# Altium PCB HEXIWEAR_MainBoard_v106.PcbDoc (part 3 of 3)
Units mil, origin at the board's own origin, x right, y up, seen from the top; angles counter-clockwise.
Board outline 1731.95 x 1558.06 mil, 6 copper layers (Top Layer, Internal Plane 2, Signal Layer 1, Signal Layer 2, Internal Plane 1, Bottom Layer), stack 48.468 mil thick; 186 components, 162 nets, 776 pads, 480 vias.
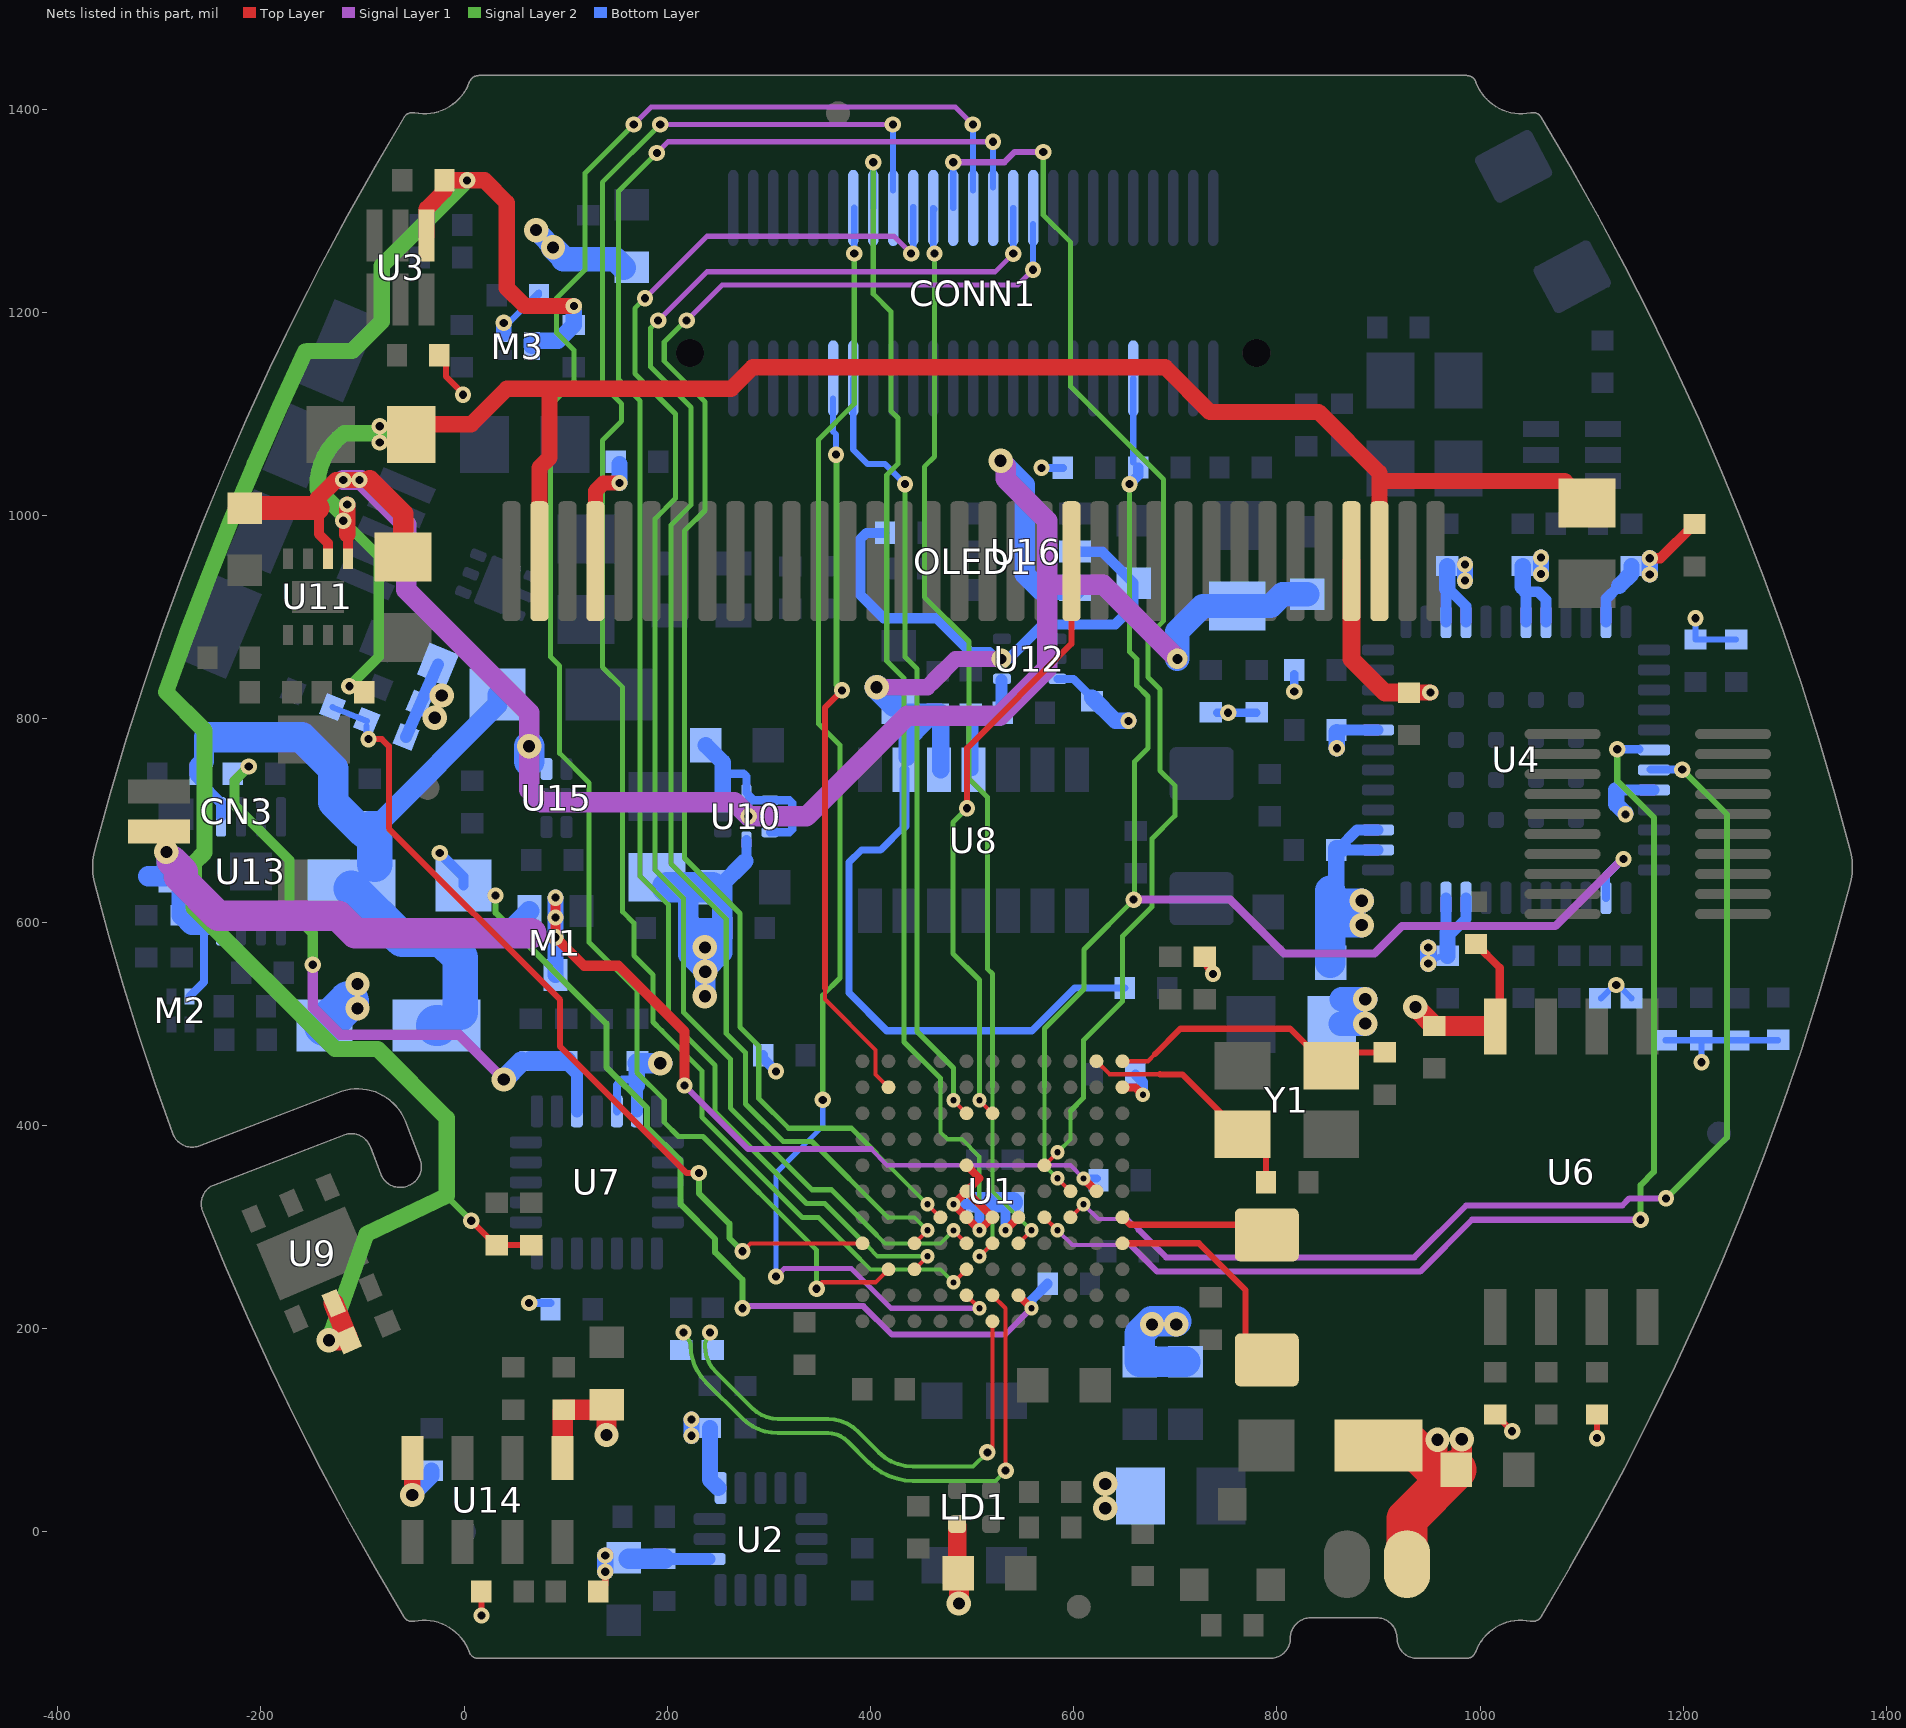
[diagram p7: the nets of this part, all layers, seen from the top]

## Via types
v1: diameter 16, hole 8, Top Layer to Bottom Layer, tented both sides, 352 vias
v2: diameter 24, hole 12, Top Layer to Bottom Layer, tented both sides, 67 vias
v3: diameter 14, hole 6, Top Layer to Bottom Layer, tented both sides, 55 vias
v4: diameter 20, hole 10, Top Layer to Bottom Layer, tented both sides, 4 vias
v5: diameter 16, hole 8, Top Layer to Bottom Layer, tented bottom, 2 vias

## Nets (pads, with @x,y where several pads share a name; then routed paths per layer and width w, separated by ;. In a path a pad name is that pad's centre, name@x,y a point inside that pad or via, vN(x,y) a via of type N, cw(c..) or ccw(c..) an arc to the next point about the centre after c; other vN are vias at no path point) (continued)
SPI2_SCK: OLED1.14 U1.F9 | length 607.8
  Top Layer w4: v3(507.18,424.55) U1.F9@519.99,411.76
  Top Layer w6: v1(495,712) 495,771 597.71,873.71 OLED1.14@597.71,955.11
  Signal Layer 2 w5: v1(495,712) 481,698 481,569 507.18,542.82 v3(507.18,424.55)
SWDCLK: CONN1.21 R8.1 U1.J6 U4.2 | length 1445.9
  Top Layer w4: v3@583.99,347.77 U1.J6@596.76,335
  Signal Layer 1 w8: v1(659,622) 754,622 807,569 896,569 923,596 1074,596 v1@1140.5,662.5
  Signal Layer 2 w4: 571.16,438 571.16,360.57 v3(583.95,347.78)
  Signal Layer 2 w5: 571.15,438 571.15,495.15 610,534 610,573 660,623 660,758.08 673,771.08 673,822 662,833 662,859 655,866 v1(655,1031)
  Bottom Layer w6: R8.1@658.57,1052.33 CONN1.21@658.57,1135
  Bottom Layer w8: U4.2@1123.92,623.71 1123.92,645.92 v1@1140,662
  Bottom Layer w10: v1(655,1031) 663.5,1039.5 R8.1@663.5,1047.4
  other v1: 1141,662
UART0_RX: CONN1.6 U1.B10 | length 714.2
  Top Layer w4: 355,535 355,524 404.86,474.14 404.86,450.13 U1.B10@417.66,437.36
  Top Layer w6: 355,535 355,811 v1(372,828)
  Signal Layer 2 w6: v1@366.5,1060 366.5,833.5 v1(372,828)
  Bottom Layer w6: CONN1.6@363,1115 363,1083 366,1080 v1(366,1060)
UART0_TX: CONN1.7 U1.E9 | length 779.3
  Top Layer w4: v3(481.59,424.55) U1.E9@494.41,411.76
  Signal Layer 2 w5: v1(434,1031) 434,861 445.8,849.2 445.8,492.2 461.45,476.55 481.59,456.41 v3(481.59,424.55)
  Bottom Layer w6: CONN1.7@382.98,1135 383,1065 397,1051 414,1051 v1(434,1031)
UART2_RX: CONN1.37 U1.C3 | length 1665.2
  Top Layer w4: U1.C3@443.24,258.2 v3(456.03,271.02)
  Signal Layer 1 w5: v1(189.67,1357) 200.65,1367.98 v1(520.54,1367.98)
  Signal Layer 2 w4: 397.5,280.5 406.98,271.02 v3(456.03,271.02)
  Signal Layer 2 w5: v1(189.67,1357) 152,1319.33 152,1134 173,1113 173,645 201,617 201,504.96 247,458.96 247,413 337,323 355,323 397.5,280.5
  Bottom Layer w6: CONN1.37@520.54,1323 v1(520.54,1367.98)
UART2_TX: CONN1.38 U1.B3 | length 1808.7
  Top Layer w4: v1(347,239) 347,240 352.43,245.43 404.9,245.43 U1.B3@417.67,258.2
  Signal Layer 1 w5: v1(167,1385) 184,1402 483.74,1402 v1(500.74,1385)
  Signal Layer 2 w5: v1(167,1385) 119,1337 119,1242 91,1214 91,1180 108,1163 108,1132 85,1109 85,861 94,852 94,766 123,737 123,580 170,533 170,452 197,425 197,403 211,389 235,389 347,277 v1(347,239)
  Bottom Layer w6: CONN1.38@500.74,1320 v1(500.74,1385)
UART3_RX: CONN1.35 U1.D5 | length 1464
  Top Layer w4: v3(455.98,322.18) U1.D5@468.8,309.39
  Signal Layer 1 w5: v1(219,1192) 254,1227 544.98,1227 v1(560,1242.02)
  Signal Layer 2 w4: 406.08,372.08 v3(455.98,322.18)
  Signal Layer 2 w5: v1@218.5,1192.5 197,1171 197,1152.01 237,1112.01 237,1004.99 217,984.99 217,663 271.5,608.5 271.5,496.5 290,478 290,426.38 319.38,397 381.16,397 406.08,372.08
  Bottom Layer w6: v1(560,1242.02) CONN1.35@560,1287
UART3_TX: CONN1.36 U1.C4 | length 1499.7
  Top Layer w4: U1.C4@443.23,283.79 v3(456.01,296.6)
  Signal Layer 1 w5: v1(191,1192) 239,1240 522.64,1240 v1(540.46,1257.82)
  Signal Layer 2 w4: 417.01,309.39 443.22,309.39 v3(456.01,296.6)
  Signal Layer 2 w5: v1(191,1192) 183.5,1184.5 183.5,1146.42 223.5,1106.42 223.5,1010.58 203.5,990.58 203.5,657.41 258,602.91 258,490.38 277,471.38 277,421 314,384 342.4,384 417.01,309.39
  Bottom Layer w6: v1(540.46,1257.82) CONN1.36@540.46,1302.8
UART4_RX: U1.J5 U4.43 | length 1133.3
  Top Layer w4: U1.J5@596.75,309.39 v3(609.53,322.21)
  Signal Layer 1 w4: v3(609.53,322.21) 624.14,307.6 653.4,307.6 664,297
  Signal Layer 1 w6: 664,297 691,270 935.2,270 986.2,321 1140,321 1147,328 v1(1183,328)
  Signal Layer 2 w6: v1(1183,328) 1243,388 1243,706 v1(1199,750)
  Bottom Layer w8: U4.43@1168,750 v1(1199,750)
UART4_TX: U1.H5 U4.42 | length 1134.3
  Top Layer w4: U1.H5@571.14,309.39 v3@583.91,296.62
  Signal Layer 1 w4: v3(583.96,296.61) 598.57,282 656,282
  Signal Layer 1 w6: 656,282 682,256 941,256 992,307 v1(1158,307)
  Signal Layer 2 w6: v1(1135,770) 1135,739 1171,703 1171,354 1158,341 v1(1158,307)
  Bottom Layer w8: v1@1136,770 U4.42@1157,770
USB-D_N: R24.2 U1.F2 | length 558.8
  Top Layer w4: U1.F2@519.98,232.63 532.75,219.86 v1@532.75,60
  Signal Layer 2 w4: v1@220.17,189.83 cw(c213.34,183) 223,183 ccw(c273.21,183) 237.71,147.49 273.49,111.71 ccw(c309,147.21) 309,97 358.03,97 cw(c358.03,70.03) 377.1,89.1 397.96,68.24 ccw(c442,112.28) 442,50 523,50 v1(533,60)
  other v1: 216,196
USB-D_P: R25.2 U1.F1 | length 475.5
  Top Layer w4: v1(515,78) 519.97,82.97 U1.F1@519.97,207.03
  Signal Layer 2 w4: v1@240.54,191.54 ccw(c249.07,183) 237,183 ccw(c273.21,183) 247.61,157.39 283.39,121.61 ccw(c309,147.21) 309,111 358.03,111 cw(c358.03,70.03) 387,99 407.86,78.14 ccw(c442,112.28) 442,64 501,64 v1(515,78)
  other v1: 242,196
USB_VBUS: R23.1 R26.1 U1.A4 | length 848.9
  Top Layer w4: v1(274,276) 281.79,283.79 U1.A4@392.07,283.79
  Top Layer w6: v1@-96,780 -81,780 -74,773 -74,691.86 94.48,523.38 94.48,477.32 218.8,353 v1@233,353
  Signal Layer 2 w6: v1(231,353) 231,333 261,303 261,289 v1(274,276)
  Bottom Layer w6: R26.1@-129.6,811.51 R23.1@-95.81,797.85 ; v1@-96,777 R23.1@-96,793
  other v1: -94,780
USER_SD_CLK: CONN1.44 U1.E2 | length 1339.1
  Top Layer w4: U1.E2@494.4,232.63 v3@507.17,219.86
  Signal Layer 1 w5: v1(307,251) 315,259 381,259 420.15,219.85 v3(507.22,219.85)
  Signal Layer 2 w5: v1(353,425) 353,527.96 370,544.96 370,773.98 349,794.98 349,1075 384,1110 v1(384,1258.02)
  Bottom Layer w5: v1(307,251) 307,353 353,399 v1(353,425)
  Bottom Layer w6: v1(384,1258.02) CONN1.44@384,1303
USER_SD_CMD: CONN1.43 U1.F4 | length 1211.3
  Top Layer w4: v3(507.19,270.97) U1.F4@519.98,283.79
  Signal Layer 2 w4: 468.8,438 468.8,393 475.59,386.21 489.9,386.21 507,369.1 507,322 520.03,309.02 520.03,283.76 v3(507.19,270.97)
  Signal Layer 2 w5: v1(402.67,1347.78) 402.67,1218.33 420,1201 420,1103 427,1096 427,1051 416,1040 416,857 433,840 433,482 468.8,446.2 468.8,438
  Bottom Layer w6: CONN1.43@402.67,1302.8 v1(402.67,1347.78)
USER_SD_D0: CONN1.42 U1.E3 | length 1684
  Top Layer w4: v3(481.63,245.39) U1.E3@494.41,258.2
  Signal Layer 1 w5: v1(193,1385) v1(422,1385)
  Signal Layer 2 w4: 389,269 399.82,258.18 468.84,258.18 v3(481.63,245.39)
  Signal Layer 2 w5: v1(193,1385) 136,1328 136,1129 155,1110 155,1093 136,1074 136,851 156,831 156,610 167,599 167,582.5 167,567 186,548 186,501.57 194.57,493 234,453.57 234,408 333,309 349,309 389,269
  Bottom Layer w6: CONN1.42@422,1320 v1(422,1385)
USER_SD_D1: CONN1.41 U1.E4 | length 1492.6
  Top Layer w4: v3(481.58,296.57) U1.E4@494.39,283.79
  Signal Layer 1 w5: v1(178,1214) 239,1275 423,1275 v1(440,1258)
  Signal Layer 2 w4: 406,292 414.22,283.78 468.79,283.78 v3(481.58,296.57)
  Signal Layer 2 w5: v1(178,1214) 168,1204 168,1140 208,1100 208,1017 188,997 188,651.21 216,623.21 216,511.17 262,465.17 262,417 342.5,336.5 361.5,336.5 406,292
  Bottom Layer w6: v1@442.04,1260.08 CONN1.41@442.04,1303.6
USER_SD_D2: CONN1.40 U1.G4 | length 1075.3
  Top Layer w4: U1.G4@545.55,283.79 v3(558.33,296.6)
  Signal Layer 1 w5: v1(463,1258) 463,1259.1 v1@464.2,1260.3
  Signal Layer 2 w4: 519.96,334.94 519.96,437.97 ; 520,334.94 v3(558.33,296.6)
  Signal Layer 2 w5: v1(463,1258) 463,1058 453,1048 453,920 497,876 497,741 515,723 515,554 519.96,549.04 519.96,437.97
  Bottom Layer w6: v1@461.72,1259.28 CONN1.40@461.72,1302.8 CONN1.40@463,1301.52
USER_SD_D3: CONN1.39 U1.H7 | length 1254.8
  Top Layer w4: U1.H7@571.14,360.58 v3(583.93,373.4)
  Signal Layer 1 w6: v1(481.41,1347.78) 531.78,1347.78 542,1358 v1(570,1358)
  Signal Layer 2 w4: v3(583.93,373.4) 596.71,386.19 596.71,414
  Signal Layer 2 w5: v1(570,1358) 570,1296 597,1269 597,1127 688.5,1035.5 688.5,896.5 673,881 673,841 685,829 685,749 699.5,734.5 699.5,704.5 677,682 677,615 648,586 648,522 609.71,483.71 609.71,427 596.71,414
  Bottom Layer w6: CONN1.39@481.41,1302.8 v1(481.41,1347.78)
VCC: C49.1 C50.1 C71.1 L2.1 L4.2 U10.1 U10.2 U10.3 U10.7 U10.8 U11.2 U15.1 U16.6 | length 2218.6
  Top Layer w9.84: -143,999 -143,982 -134.19,973.19 U11.2@-134.19,957.56
  Top Layer w16: -144,1017 -126,1035 v1(-119,1035) -93,1035
  Top Layer w20: -93,1035 -60,1002 L2.1@-60,959.37
  Top Layer w24: C49.1@-216,1007.5 -144.5,1007.5
  Signal Layer 1 w20: v1(-119,1035) -101,1035 -57,991 -57,927 64,806 v2(64,773) 64,730 76,718 266.13,718 v1(280.06,704.06) 337.06,704.06 436,803 527.19,803 574,849.81 574,995 533,1036 533,1049 v2(528,1054) ; 574,932 629,932 v4(702,859)
  Bottom Layer w8: 255,746 275,746 277.8,743.2 U10.8@277.8,727.29 U10.8@280.06,725.03 ; U10.3@301.03,688.32 320.32,688.32 323,691 323,717 320.19,719.81 U10.1@301.03,719.81 285.28,719.81 U10.8@280.06,725.03 ; U10.2@301.03,704.06 v1(280.06,704.06) U10.8@280.06,725.03
  Bottom Layer w16: C50.1@237.78,774.07 254.57,757.27 U10.7@254.57,723.81
  Bottom Layer w20: v2(528,1054) 551.73,1030.27 551.73,942.27 567,927 U16.6@601.46,927
  Bottom Layer w24: v4(702,859) 702,886 727,911 L4.2@761,911 794,911 805.5,922.5 C71.1@830,922.5
  Bottom Layer w30: 64,758 v2(64,773)
  other v1: -103,1035
VCC-1V8: C40.1 C55.1 U8.11 U12.4 | length 110.4
  Bottom Layer w12: U8.11@500.49,749.81 C40.1@500.49,805 ; C40.1@503.8,806 C55.1@534,806 ; C55.1@529,813 U12.4@529,838
VCC-3V3: C8.2 C15.1 C16.1 C17.1 C35.1 C36.1 C37.1 C38.1 C46.1 C47.1 C51.1 C52.1 C53.1 C54.1 C60.2 C61.2 C63.1 C64.1 D5.2 L3.2 LD1.1 M3.2 M4.1 OLED1.4 OLED1.31 R2.2 R3.2 R4.1 R5.1 R6.1 R7.1 R12.1 R27.1 R28.1 R29.1 R31.1 R34.1 R35.1 R44.1 R47.1 R55.1 U2.1 U2.14 U6.8 U7.15 U7.17 U7.18 U10.4 U12.3 U14.1 U14.4 | length 2587.1
  Top Layer w6: R12.1@-18,1149 -18,1137 v1@-1,1120 ; v1(17,-82.67) R2.2@17,-59 ; R3.2@138.89,-52.11 v1(138.89,-39.49) ; R27.1@1015,115.33 v1(1031.5,98.83) ; v1(1115,92) R28.1@1115,115.33
  Top Layer w8: R7.1@731.15,557.26 v1@737,548 ; R29.1@996,578.33 1019.33,555 U6.8@1019.33,501.79
  Top Layer w15: OLED1.31@129.21,955.11 129.21,1024.21 137,1032 v1@149,1032
  Top Layer w16: v2(-51,36) U14.4@-51,70 ; C47.1@935.33,826 v1(951,826)
  Top Layer w17.72: OLED1.4@873.3,955.11 873.3,858.7 906.33,825.67 C47.1@930,825.67
  Top Layer w18: C63.1@485.27,-25 LD1.1@485.27,6
  Top Layer w20: U14.1@97.05,72.35 97.05,118.8 C60.2@98.23,119.98 C61.2@135.47,119.98 ; v2(140.16,95.16) C61.2@140.16,124.67 ; v2(487,-70.73) C63.1@487,-46 ; v2(936.25,516.42) C35.1@955,497.67 U6.8@1014.39,497.67 ; 958,61 v2(958,90.51) ; C64.1@982,61.49 v2(982,91)
  Top Layer w40: D5.2@899.92,85 932,85 956,61 ; M4.1@928.06,-32 928.06,12.56 C64.1@976.5,61
  Signal Layer 1 w10: v1(-149,558) -149,516 -122,489 -5,489 v2(39,445)
  Signal Layer 2 w10: v1(-212,753) -226,739 -226,715 -172,661 -172,612 -149,589 v1(-149,558)
  Bottom Layer w6: v1(39,1189.72) 43.72,1189.72 73.67,1219.67 R44.1@73.67,1217
  Bottom Layer w8: v1(64,225) R31.1@85,225 ; U7.17@150.31,413.7 150.31,439.53 155.78,445 164,445 170,439 ; v1(568.33,1047) R4.1@589.33,1047 ; U12.3@584,839.32 599.69,839.32 C54.1@618,821 ; R34.1@741,806 v1(752,806) R35.1@780,806
  Bottom Layer w9.84: 277.8,665 U10.4@277.8,680.83
  Bottom Layer w10: R5.1@294.33,469 294.33,465.67 v1(307,453)
  Bottom Layer w11.81: C37.1@101,460 110.94,450.05 U7.15@110.94,413.7 ; U7.18@170,413.7 170,439 ; C16.1@197.24,-27.01 U2.14@241.69,-27.01
  Bottom Layer w15: M3.2@39,1179 v1(39,1189.72)
  Bottom Layer w16: v2(-51,36) -32,55 C8.2@-32,60 ; v1(138.89,-39.49) v1(138.89,-23.49) ; v1(153,1032) C46.1@153,1050.72 ; 170,439 C36.1@170,462.52 ; v1(223.89,94.34) v1(223.89,110.34) ; C15.1@241.89,102.01 241.89,51.06 U2.1@250.07,42.87 ; C53.1@252.47,635.53 276.97,660.03 ; C54.1@618,821 641,798 v1(654,798)
  Bottom Layer w20: v2(39,445) C38.1@56.33,462.33 ; C38.1@65.63,463.15 C37.1@100.63,463.15 ; C17.1@162.06,-26.65 C16.1@196.89,-26.65 ; C36.1@170.63,461.15 v2@195.14,461.15 ; 220.44,621 C51.1@220.44,594.06 ; v2@237.28,527.2 237.28,552.72 254.11,569.55 C52.1@254.11,594.06 ; v2(237.28,551) 220.44,567.83 C51.1@220.44,594.06 ; C53.1@254.11,635.53 C52.1@254.11,594.06 ; C51.1@220.44,594.06 C52.1@254.11,594.06
  Bottom Layer w24: R6.1@863,500 v2@886.5,500 ; R6.1@863.5,524 v2(887,524)
  Bottom Layer w30: L3.2@199.78,634.06 C53.1@244.28,634.06
  other v1: 737,549 -1,1119
  other v2: 631,23 631,47 193,461 887,500 237,527 237,575
VCC-3V3B: C20.1 C30.2 C57.1 M3.3 R9.2 R10.2 U3.1 U9.5 | length 1986.3
  Top Layer w6: v1(7,306) 31,282 R10.2@32,282 R9.2@66,282
  Top Layer w15.75: -37.01,1301.99 -19.33,1319.67 C20.1@-19.33,1330
  Top Layer w16: U3.1@-37.01,1275.75 -37.01,1301.99 ; C20.1@-19.33,1330 v1(3,1330) 20,1330 42,1308 42,1224 59.61,1206.39 v1(108,1206.39)
  Top Layer w20: v2@-133.6,188.42 C30.2@-113.72,188.42 U9.5@-128.45,224.86
  Signal Layer 2 w6: -17,330 v1(7,306)
  Signal Layer 2 w16: -156.51,1161.18 ccw(c3052.77,-347.74) -293.51,826.48 -255.58,788.55 -255.58,668.42 -266,658 -266,614 -127,475 -85,475 -17,407 -17,330.59 -17.23,330.48 -96.07,292.89 v2(-133.09,188.42) ; -154.43,1162 -110,1162 -81,1191 -81,1246 v1(3,1330)
  Bottom Layer w16: M3.3@66.57,1166.89 66.57,1172 92.33,1172 C57.1@108,1187.67 v1(108,1206.39)
VCC-5VEXT: D2.1 FP2.1 R45.2 | length 130.1
  Bottom Layer w20: v2@73.82,1277.69 v2@87.87,1263.64
  Bottom Layer w24: v2@87.87,1263.64 97.51,1254 ; 97.51,1252.33 122,1252.33 148.67,1252.33 FP2.1@157,1244
  Bottom Layer w40: D2.1@-137.4,498.19 D2.1@-113.58,522.01
  other v2: -105,515 -105,539 87.51,1264 70.88,1281
VCC-15V: C44.1 C48.2 OLED1.3 OLED1.33 R37.1 U11.1 | length 1869
  Top Layer w9.84: U11.1@-114.5,957.56 -114.5,981.5
  Top Layer w16: -115,981.5 v1(-115,1011) ; C48.2@-49,1090 7,1090 42,1125 263,1125 284,1146 690,1146 734,1102 841,1102 900.86,1042.14 900.86,1034 1083.37,1034 C44.1@1105,1012.37 ; OLED1.33@74.09,955.11 74.09,1047.09 84,1057 84,1124 ; OLED1.3@900.86,955.11 900.86,1031
  Signal Layer 2 w10: v1(-119,995) -84,960 -84,861 v1(-113,832)
  Signal Layer 2 w16: v1(-119,995) -119,1001 -144,1026 -144,1036 cw(c-80.2,1029.15) -118,1081 v1@-83,1081
  other v1: -83,1072 -83,1088
VCC-BAT: C11.1 C59.1 CN3.1 M1.3 M2.2 R40.1 U1.K6 U13.8 | length 1366.3
  Top Layer w8: v3@609.57,347.71 U1.K6@622.35,335
  Top Layer w10: v1(90,624) v1(90,585) 118,557 152,557 217,492 v1(217,439)
  Signal Layer 1 w4: 400.5,376.5 416.39,360.61 596.63,360.61 v3(609.55,347.69)
  Signal Layer 1 w6: v1@218,438 279.5,376.5 400.5,376.5
  Signal Layer 1 w30: v2@-288,660.54 -276.73,649.27 ; -281,645 -242,606 -124,606 -107,589 66,589
  Bottom Layer w4: M1.3@89.84,547.82 M1.3@90,547.98
  Bottom Layer w8: M2.2@-270.14,526.78 -256,540.92 -256,591 ; v3(609.55,347.69) C11.1@622.64,347.69
  Bottom Layer w16: M1.3@90,547.98 v1(90,585) v1(90,624)
  Bottom Layer w20: -311,645 C59.1@-284.12,645 ; C59.1@-293,653.88 v2(-293,669) ; C59.1@-278,643.88 R40.1@-278,606.67 -277.67,606.67 -268,597 -245,597
  other v1: 90,604.5
VCC-CH: C58.1 D1.1 D2.2 D3.2 M1.1 R1.1 U13.1 | length 794.4
  Bottom Layer w10.24: C58.1@-260.33,746 -260.33,738.33 -239.33,717.33 U13.1@-239.33,703.5
  Bottom Layer w20: C58.1@-260.33,746 -260.33,753.67 -256,758 -256,781 ; R1.1@-93,699.33 -81.67,699.33 32.76,813.76 D1.1@32.76,824 ; -4,565 -4,577 7,588 41.44,588 M1.1@64.25,610.81
  Bottom Layer w30: -251,782 -160,782 -129,751 -129,718 -99,688
  Bottom Layer w35: D3.2@-111,633 -61,583 -22,583 -4,565 D2.2@-4,511 ; D3.2@-88,657 -88,685
  Bottom Layer w40: D2.2@-27.17,498.19 D2.2@-25.81,498.19
VCC-HRM: C41.1 C42.1 C72.1 R32.1 R71.1 U8.9 U8.10 U16.5 | length 1339.3
  Signal Layer 1 w16: v2(406,831) 456,831 462,837 462,837.28 483.72,859 v4(529,859)
  Bottom Layer w7: 433.37,694.37 410,671 391,671 379,659 379,530 416,493 559,493 601,535 R32.1@650.33,535
  Bottom Layer w10: R71.1@414.33,983 396,983 390,977 390,922 413,899 465,899 498.33,865.67 517.13,865.67 523.8,859 v4(529,859) 536,859 570,893 641,893 659,911 C72.1@659,933.5 628,964.5 U16.5@601.46,964.5 ; 433.37,694.37 U8.9@433.37,749.81
  Bottom Layer w17: U8.9@436,762 436,779 454,797 ; U8.10@468.99,749.81 C41.1@468.99,804.01
  Bottom Layer w20: C42.1@433.5,805 C41.1@468,805
  Bottom Layer w24: v2(406,831) C42.1@423.33,813.67
VCC-MCU: C10.1 C12.1 C13.1 C65.1 FP4.2 U1.E5 U1.E6 U1.E7 U1.F5 U1.G5 U1.L10 | length 421.2
  Top Layer w8: U1.E5@494.4,309.46 v3(481.58,322.22) U1.E6@494.4,335 ; U1.E7@494.39,360.58 507.16,347.81 ; U1.E5@494.39,309.39 v3(507.24,296.61) U1.F5@519.97,309.39 U1.E6@494.4,335 ; 507.17,347.77 U1.E6@494.4,335 ; v3(532.82,296.61) U1.G5@545.54,309.39 ; U1.L10@647.92,437.04 660.96,437.04 v3(668,430)
  Bottom Layer w10: v3@481.67,322.22 C12.1@502.89,322.22 ; v3(507.24,296.61) C12.1@507.24,317.82 ; v3(532.82,296.61) C13.1@532.82,317.82 ; C10.1@660.67,450 668,442.67 v3(668,430)
  Bottom Layer w20: C12.1@505,324.33 C13.1@540,324.33
  Bottom Layer w30: v2@701,207 677,207 665,195 C65.1@665,167 FP4.2@710,167
  other v2: 677,204 701,204
VCC-USB: C14.1 C34.1 D3.1 FP3.1 R23.2 U1.G2 | length 982.6
  Top Layer w8: U1.G2@545.56,232.63 v3@558.33,219.86
  Signal Layer 1 w6: v1(274,219.85) 276.15,222 393,222 421,194 532.53,194 v3(558.37,219.85)
  Signal Layer 2 w6: v1(31,626) 31,609 140,500 140,457 180,417 180,398 213,365 213,322 247,288 247,275 274,248 v1(274,219.85)
  Bottom Layer w10: v1(-24,668) -0.76,644.76 D3.1@-0.76,636 ; v3(558.37,219.85) 558.37,228.04 C14.1@574.33,244
  Bottom Layer w12: R23.2@-57.18,782.25 -42.93,814.57 -35.85,830.64 FP3.1@-25.79,853.45
  other v2: -29,801 -22,823
VCCRF: C21.1 C22.1 C23.1 C24.1 C25.1 C26.1 C27.1 C28.1 FP1.2 R13.2 R14.2 R15.2 R16.1 R17.1 R18.2 R19.2 R22.2 R58.2 U4.9 U4.10 U4.14 U4.15 U4.20 U4.27 U4.28 U4.31 U4.32 U4.35 U4.44 | length 1118.2
  Top Layer w10: v1(1167,958) 1177.33,958 C23.1@1211,991.67
  Bottom Layer w6: v1(949,559) cw(c967.52,540.48) 967.52,566.67 C24.1@968,566.67 ; R13.2@1119,525 v1@1132,538 ; v1(1134,538) 1136,538 R58.2@1149,525 ; R19.2@1182.54,483.66 R16.1@1293.21,483.66 ; v1(1212,899) R14.2@1212,878 R15.2@1252,878 ; v1(1218,462) R18.2@1218,483.2
  Bottom Layer w8: v1(817,827) R22.2@817,844
  Bottom Layer w10.63: C25.1@858.74,789.07 U4.20@899.51,789.07 ; C22.1@860.8,672.52 878.93,690.64 U4.15@899.51,690.64 ; 870.8,670.96 U4.14@899.51,670.96 ; 966.44,595 U4.10@966.44,623.71 ; U4.27@966.44,895.37 966.44,922.82 ; 967,930 986.13,910.87 U4.28@986.13,895.37 ; 968,585 986.13,603.13 U4.9@986.13,623.71 ; 1040,928 1045.18,922.82 U4.31@1045.18,895.37 ; 1050,925 1057,925 1064.87,917.13 U4.32@1064.87,895.37 ; U4.35@1123.92,895.37 1123.92,917.92 1137,931 ; 1134,730.01 U4.44@1171.17,730.01
  Bottom Layer w16: 858.36,630.89 C22.1@858.36,670.89 ; C22.1@858.36,672.52 860.8,672.52 C22.1@865.8,672.52 ; v1(859,771) C25.1@859,787 ; v1(949,559) v1(949,575) ; 967.69,928 C26.1@967.69,950.22 ; C24.1@968,566.67 968,585 968,590 ; v1(985,936) v1(985,952) ; 1042,930 C27.1@1042,950.33 ; v1(1060,942.66) v1(1060,958.66) ; 1134,730 1134,716 v1@1142.97,707.03 ; 1137,931 1149,943 C28.1@1149,950.33 ; v1(1167,942) v1(1167,958)
  Bottom Layer w24: C21.1@852,621 v2(883.5,621) ; C21.1@852.69,597 v2@883,597
  Bottom Layer w30: FP1.2@852.69,560 852.69,630.89
  other v1: 1143,706
  other v2: 883.5,597
XL1: U1.L4 X1.1 | length 186.1
  Top Layer w6: U1.L4@647.91,283.79 723.21,283.79 769,238 X1.1@769,192
XL2: U1.L5 X1.2 | length 123.2
  Top Layer w6: U1.L5@647.91,309.39 655.3,302 X1.2@768,302
XTAL1: C5.1 U1.K11 Y1.3 | length 174.3
  Top Layer w4: U1.K11@622.34,462.96 635.11,450.19 684.96,450.19
  Top Layer w6: 684.96,450.15 685.12,450 707,450 Y1.3@748.5,408.5 ; Y1.3@764.12,391 Y1.3@766,391 ; C5.1@789.33,344 Y1.3@789.33,367.67
XTAL2: C7.1 U1.L11 Y1.1 | length 273.3
  Top Layer w4: U1.L11@647.91,462.96 672.96,462.96 680,470
  Top Layer w6: 680,470 705,495 813,495 849.5,458.5 Y1.1@853.5,458.5 ; Y1.1@866.67,471.67 C7.1@906,471.67
pads on no net: A1.2 CN3.0 CONN1.P D7.4 D7.5 FM1.0 FM2.0 FM3.0 FM4.0 FM5.0 FM6.0 OLED1.1 OLED1.16 U1.A11 U1.H4 U1.K3 U1.K4 U1.K5 U1.L7 U2.15 U4.11 U4.12 U4.18 U4.19 U4.24 U4.25 U4.36 U4.37 U4.38 U4.39 U5.6 U8.1 U8.5 U8.6 U8.7 U8.8 U8.14 U9.3 U9.4 U9.PAD U11.5 U12.5 U13.2 U13.6
copper on no net:
  other v1: 1320,561.5

## Polygon pours and split planes (outlines as drawn)
GND on Signal Layer 1 "GND_L03_P001" (solid, remove dead copper, pour order 1): -258.93,313.83 cw(c-256.13,314.95) -259.12,314.57 cw(c-238.02,323.77) -248.11,344.45 cw(c-246.79,341.74) -247.86,344.56 -117.75,394.51 -117.74,394.51 -117.75,394.51 cw(c-116.66,391.7) -117.64,394.55 cw(c-110.15,372.79) -88.4,380.33 -88.42,380.38 -88.4,380.33 -78.47,354.44 cw(c-81.28,353.36) -78.43,354.34 ccw(c-62.37,359.87) -54.79,344.67 ccw(c-62.38,359.87) -54.77,344.68 cw(c-53.42,341.98) -54.58,344.77 ccw(c-61.25,360.39) -44.26,360.39 ccw(c-61.25,360.39) -45.17,365.86 cw(c-42.31,366.83) -45.21,365.99 -59.94,404.37 -59.95,404.4 -59.94,404.37 cw(c-104.15,386.14) -59.93,404.34 -59.94,404.37 ccw(c-104.22,386.1) -122.43,430.4 ccw(c-104.19,385.96) -122.46,430.39 cw(c-123.61,433.18) -122.53,430.36 -122.52,430.37 ccw(c-123.6,433.18) -122.44,430.4 -122.53,430.36 -259.48,377.79 -259.5,377.79 -259.48,377.79 cw(c-260.58,380.6) -259.6,377.75 cw(c-267.09,399.51) -288.85,392.02 cw(c-286,393) -288.94,392.32 cw(c2297.54,1336.09) -365.3,636.19 cw(c-292.65,655.28) -365.3,674.37 cw(c-292.56,655.15) -365.29,674.39 cw(c2297.34,-26.26) -60.93,1394.68 cw(c-49.92,1388.05) -47.35,1400.65 ccw(c-38.48,1444.15) 3.22,1428.89 cw(c15.29,1424.47) 15.29,1437.33 987.43,1437.33 cw(c987.43,1424.47) 999.5,1428.89 ccw(c1041.2,1444.15) 1050.03,1400.64 ccw(c1041.22,1444.17) 1050.05,1400.64 cw(c1052.62,1388.04) 1063.63,1394.68 cw(c-1295.09,-25.54) 1367.75,674.37 cw(c1295.1,655.28) 1370.22,655.28 cw(c1295.1,655.28) 1367.74,636.17 cw(c-1294.89,1336.82) 1063.38,-84.12 cw(c1052.37,-77.49) 1049.8,-90.08 ccw(c1040.93,-133.59) 999.23,-118.33 cw(c987.16,-113.91) 987.16,-126.77 939,-126.77 cw(c939,-103.75) 915.98,-103.75 cw(c919,-103.75) 915.99,-103.73 ccw(c899,-103.75) 899,-86.76 834,-86.76 ccw(c834,-103.75) 817.01,-103.73 cw(c814,-103.75) 817.02,-103.75 cw(c794,-103.75) 794,-126.77 15.02,-126.77 cw(c15.02,-113.91) 2.95,-118.33 ccw(c-38.75,-133.59) -47.58,-90.08 cw(c-48.2,-87.12) -47.6,-90.08 cw(c-38.61,-133.66) -47.58,-90.08 -47.6,-90.08 cw(c-50.17,-77.48) -61.18,-84.12 cw(c2297.54,1336.1)
GND on Signal Layer 2 "GND_L04_P002" (solid, remove dead copper, pour order 2): -258.93,313.83 cw(c-256.13,314.95) -259.12,314.57 cw(c-238.02,323.77) -248.11,344.45 cw(c-246.79,341.74) -247.86,344.56 -117.75,394.51 -117.74,394.51 -117.75,394.51 cw(c-116.66,391.7) -117.64,394.55 cw(c-110.15,372.79) -88.4,380.33 -88.42,380.38 -88.4,380.33 -78.47,354.44 cw(c-81.28,353.36) -78.43,354.34 ccw(c-62.37,359.87) -54.79,344.67 ccw(c-62.38,359.87) -54.77,344.68 cw(c-53.42,341.98) -54.58,344.77 ccw(c-61.25,360.39) -44.26,360.39 ccw(c-61.25,360.39) -45.17,365.86 cw(c-42.31,366.83) -45.21,365.99 -59.94,404.37 -59.95,404.4 -59.94,404.37 cw(c-104.15,386.14) -59.93,404.34 -59.94,404.37 ccw(c-104.22,386.1) -122.43,430.4 ccw(c-104.19,385.96) -122.46,430.39 cw(c-123.61,433.18) -122.53,430.36 -122.52,430.37 ccw(c-123.6,433.18) -122.44,430.4 -122.53,430.36 -259.48,377.79 -259.5,377.79 -259.48,377.79 cw(c-260.58,380.6) -259.6,377.75 cw(c-267.09,399.51) -288.85,392.02 cw(c-286,393) -288.94,392.32 cw(c2297.54,1336.09) -365.3,636.19 cw(c-292.65,655.28) -365.3,674.37 cw(c-292.56,655.15) -365.29,674.39 cw(c2297.34,-26.26) -60.93,1394.68 cw(c-49.92,1388.05) -47.35,1400.65 ccw(c-38.48,1444.15) 3.22,1428.89 cw(c15.29,1424.47) 15.29,1437.33 987.43,1437.33 cw(c987.43,1424.47) 999.5,1428.89 ccw(c1041.2,1444.15) 1050.03,1400.64 ccw(c1041.22,1444.17) 1050.05,1400.64 cw(c1052.62,1388.04) 1063.63,1394.68 cw(c-1295.09,-25.54) 1367.75,674.37 cw(c1295.1,655.28) 1370.22,655.28 cw(c1295.1,655.28) 1367.74,636.17 cw(c-1294.89,1336.82) 1063.38,-84.12 cw(c1052.37,-77.49) 1049.8,-90.08 ccw(c1040.93,-133.59) 999.23,-118.33 cw(c987.16,-113.91) 987.16,-126.77 939,-126.77 cw(c939,-103.75) 915.98,-103.75 cw(c919,-103.75) 915.99,-103.73 ccw(c899,-103.75) 899,-86.76 834,-86.76 ccw(c834,-103.75) 817.01,-103.73 cw(c814,-103.75) 817.02,-103.75 cw(c794,-103.75) 794,-126.77 15.02,-126.77 cw(c15.02,-113.91) 2.95,-118.33 ccw(c-38.75,-133.59) -47.58,-90.08 cw(c-48.2,-87.12) -47.6,-90.08 cw(c-38.61,-133.66) -47.58,-90.08 -47.6,-90.08 cw(c-50.17,-77.48) -61.18,-84.12 cw(c2297.54,1336.1)
GND on Top Layer "Top Layer-GND" (solid, pour order 10): -256,315 cw(c-238.02,323.77) -246.79,341.74 -116.66,391.7 cw(c-110.15,372.79) -91.24,379.3 -81.28,353.36 ccw(c-62.37,359.87) -53.42,341.98 ccw(c-61.25,360.39) -42.31,366.83 -42.3,366.83 -57.14,405.48 ccw(c-104.22,386.1) -123.61,433.18 -123.6,433.18 -260.58,380.6 cw(c-267.09,399.51) -286,393 -285.98,393.01 cw(c2297.54,1336.1) -362.38,636.95 cw(c-292.65,655.28) -362.38,673.63 cw(c2297.34,-26.26) -58.35,1393.13 cw(c-49.92,1388.05) -47.95,1397.69 ccw(c-38.48,1444.15) 6.05,1427.85 cw(c15.29,1424.47) 15.29,1434.31 987.43,1434.31 cw(c987.43,1424.47) 996.67,1427.85 ccw(c1041.2,1444.15) 1050.66,1397.69 cw(c1052.62,1388.04) 1061.05,1393.12 cw(c-1295.09,-25.54) 1364.83,673.61 cw(c1295.1,655.28) 1364.83,636.93 cw(c-1294.89,1336.82) 1060.8,-82.57 cw(c1052.37,-77.49) 1050.4,-87.13 ccw(c1040.93,-133.59) 996.4,-117.29 cw(c987.16,-113.91) 987.16,-123.75 939,-123.75 cw(c939,-103.75) 919,-103.75 ccw(c899,-103.75) 899,-83.75 834,-83.75 ccw(c834,-103.75) 814,-103.75 cw(c794,-103.75) 794,-123.75 15.02,-123.75 cw(c15.02,-113.91) 5.78,-117.29 ccw(c-38.75,-133.59) -48.21,-87.13 cw(c-50.17,-77.48) -58.6,-82.56 cw(c2297.93,1335.31)
GND on Bottom Layer "Bottom Layer-GND" (solid, pour order 12): -256.81,313.88 cw(c-238.84,322.65) -247.6,340.63 -117.47,390.58 cw(c-110.96,371.67) -92.05,378.18 -82.09,352.25 -82.09,352.24 ccw(c-63.18,358.76) -54.23,340.87 ccw(c-62.06,359.28) -43.12,365.71 -43.11,365.71 -57.95,404.37 ccw(c-105.03,384.98) -124.42,432.06 -261.39,379.49 cw(c-267.9,398.4) -286.81,391.88 -286.79,391.89 cw(c2296.72,1334.98) -363.19,635.84 cw(c-293.46,654.16) -363.19,672.51 cw(c2296.53,-27.38) -59.16,1392.01 cw(c-50.73,1386.93) -48.76,1396.57 ccw(c-39.29,1443.04) 5.24,1426.74 cw(c14.48,1423.35) 14.48,1433.19 986.62,1433.19 cw(c986.62,1423.35) 995.86,1426.74 ccw(c1040.39,1443.04) 1049.84,1396.57 cw(c1051.81,1386.93) 1060.24,1392 cw(c-1295.9,-26.65) 1364.02,672.49 cw(c1294.29,654.16) 1364.02,635.82 cw(c-1295.7,1335.71) 1059.99,-83.68 cw(c1051.56,-78.6) 1049.59,-88.25 ccw(c1040.12,-134.71) 995.59,-118.41 cw(c986.35,-115.02) 986.35,-124.87 938.19,-124.87 cw(c938.19,-104.87) 918.19,-104.87 ccw(c898.19,-104.87) 898.19,-84.87 833.19,-84.87 ccw(c833.19,-104.87) 813.19,-104.87 cw(c793.19,-104.87) 793.19,-124.87 14.21,-124.87 cw(c14.21,-115.02) 4.97,-118.41 ccw(c-39.56,-134.71) -49.02,-88.24 cw(c-50.98,-78.6) -59.41,-83.68 cw(c2297.12,1334.19)
VCCRF on Internal Plane 2 (split plane): 1238.2,990.47 1272.81,899.59 1304.17,807.53 1332.22,714.41 1344.58,667.38 1345.44,664.15 1346.29,657.5 1346.29,650.81 1345.43,644.17 1344.58,640.93 1332.2,593.9 1304.12,500.78 1284.11,442.08 1210.69,442.08 1111.88,540.88 1110.56,541.77 1109,542.08 851.08,542.08 851.08,708 850.77,709.56 850.33,710.22 849.88,710.88 801.08,759.69 801.08,838.31 807.69,844.92 848.31,844.92 924.12,769.12 925.44,768.23 927,767.92 985,767.92 986.56,768.23 987.88,769.12 1006.88,788.12 1007.33,788.78 1007.77,789.44 1008.08,791 1008.08,847 1007.77,848.56 1006.88,849.88 961.08,895.69 961.08,994.92 1236.32,994.92
VCC-USB on Internal Plane 2 (split plane): 18.92,627.08 -75.98,627.08 -75.98,866.92 18.92,866.92
VCC-MCU on Internal Plane 2 (split plane): 732.92,439.31 732.92,161.08 371.08,161.08 371.08,487.92 684.31,487.92
VCC-5VEXT on Internal Plane 2 (split plane): 109.92,1283.31 109.92,1251.69 93.31,1235.08 -53,1235.08 -54.56,1234.77 -55.22,1234.33 -55.88,1233.88 -82.95,1206.82 -83.83,1205.5 -84.14,1203.94 -84.14,452.75 -86.18,453.38 -95.97,455.35 -97.65,455.51 -99.89,455.74 -109.87,455.76 -111.83,455.57 -113.79,455.38 -123.59,453.46 -125,453.03 -126.44,452.67 -131.15,451 -131.37,450.89 -131.62,450.83 -267.84,398.53 -267.85,398.55 -267.91,398.78 -278.79,428.59 -299.16,488.7 -318.13,549.27 -335.69,610.25 -343.76,640.94 -343.76,640.95 -344.61,644.18 -345.46,650.82 -345.46,657.52 -344.6,664.16 -343.75,667.4 -331.38,714.43 -303.29,807.55 -271.91,899.61 -237.26,990.49 -199.41,1080.09 -158.38,1168.27 -114.24,1254.94 -88.72,1300.92 92.31,1300.92
VCC-3V3 on Internal Plane 2 (split plane): 480 vertices, not listed, extent -238.69,-104.77 1281.33,1413.1
GND on Internal Plane 1 (split plane): 456 vertices, not listed, extent -345.46,-104.77 1346.29,1413.1

## Keep-outs
Keep-Out Layer:
  lines w6: -256.13,314.95 ccw(c2297.54,1336.1) -58.6,-82.56 ccw(c-50.17,-77.48) -48.21,-87.13 cw(c-38.75,-133.59) 5.78,-117.29 ccw(c15.02,-113.91) 15.02,-123.75 794,-123.75 ccw(c794,-103.75) 814,-103.75 cw(c834,-103.75) 834,-83.75 899,-83.75 cw(c899,-103.75) 919,-103.75 ccw(c939,-103.75) 939,-123.75 987.16,-123.75 ccw(c987.16,-113.91) 996.4,-117.29 cw(c1040.93,-133.59) 1050.4,-87.13 ccw(c1052.37,-77.49) 1060.8,-82.57 ccw(c-1294.89,1336.82) 1364.83,636.93 ccw(c1295.1,655.28) 1364.83,673.61 ccw(c-1295.09,-25.54) 1061.05,1393.12 ccw(c1052.62,1388.04) 1050.66,1397.69 cw(c1041.2,1444.15) 996.67,1427.85 ccw(c987.43,1424.47) 987.43,1434.31 15.29,1434.31 ccw(c15.29,1424.47) 6.05,1427.85 cw(c-38.48,1444.15) -47.95,1397.69 ccw(c-49.92,1388.05) -58.35,1393.13 ccw(c2297.34,-26.26) -362.38,673.63 ccw(c-292.65,655.28) -362.38,636.95 ccw(c2297.54,1336.1) -285.98,393.01 ccw(c-267.09,399.51) -260.58,380.6 -123.6,433.18 cw(c-104.22,386.1) -57.14,405.48 -42.3,366.83 cw(c-61.25,360.39) -53.42,341.98 cw(c-62.37,359.87) -81.28,353.36 -91.24,379.3 ccw(c-110.15,372.79) -116.66,391.7 -246.79,341.74 ccw(c-238.02,323.77) -256,315 ; -110.29,111.41 cw(c-116.73,130.35) -135.13,122.52 cw(c-117.25,131.47) -123.76,150.38 -26.6,193.64 ccw(c-35.37,211.61) -17.39,220.38 -37.92,266.48 ; -110.24,111.28 -2.18,159.39 ccw(c-21.76,206.39) 25.23,225.98 -0.82,284.51 ; -37.91,266.47 cw(c-19.93,275.24) -26.26,294.21 cw(c-18.77,275.66) -0.83,284.5

## Other copper
Top Layer:
  pour cut-out: -81.28,431.55 -23.11,295.19 25.28,186.91 -47.95,154.98 -200,77 -253.31,209.31 -297,341.74
  pour cut-out: 818,-84 818,56 988,56 988,-124 918,-124 918,-84
  pour cut-out: 760.1,1437.9 831,1312 922,1236 1033,1165 1184.49,1171.24 1139.12,1261.01 1038.44,1437.9
  region net VCC-3V3: 958,102 982,102 982,74 980.24,75.76 958,75.76
  region net GND: -81,1304 -81,1294 -85,1294 -91,1300
  region net GND: -64,1319 -64,1311 -75,1311 -76,1312
  region net VCC-15V: -74,1096 -83,1096 -83,1088 -83,1064 -74,1064
  region net VCC-15V: -83,1088 -91,1088 -91,1072 -83,1072
Signal Layer 1:
  rectangle net VCC-BAT: 63.37,569 102,648
  pour cut-out: -81.28,431.55 -23.11,295.19 25.28,186.91 -47.95,154.98 -200,77 -253.31,209.31 -297,341.74
  pour cut-out: 760.1,1437.9 831,1312 922,1236 1033,1165 1184.49,1171.24 1139.12,1261.01 1038.44,1437.9
Signal Layer 2:
  pour cut-out: -81.28,431.55 -23.11,295.19 25.28,186.91 -47.95,154.98 -200,77 -253.31,209.31 -297,341.74
  pour cut-out: 760.1,1437.9 831,1312 922,1236 1033,1165 1184.49,1171.24 1139.12,1261.01 1038.44,1437.9
Bottom Layer:
  pour cut-out: -81.28,431.55 -23.11,295.19 25.28,186.91 -47.95,154.98 -200,77 -253.31,209.31 -297,341.74
  region net VCC-3V3: 899,524 899,500 898,500 884,514
  pour cut-out: 760.1,1437.9 831,1312 922,1236 1033,1165 1184.49,1171.24 1139.12,1261.01 1038.44,1437.9
  region net VCC-HRM: 445,789 445,799 447,797 453,797
  region net VCC-HRM: 452,786 461,786 461,792
  region net VCC-USB: -35.85,830.64 -35,819 -25.33,826
  region net VCC-USB: -17,837 -21,825 -35.85,830.64 -29,839
  region net GND: 249,884 249,894 280,894 280,884
  region net VCCRF: 895,621 895,596 877,610
  region net GND: 987,516 977,516 977,526
  region net VCCRF: 874.8,670.52 874.8,681.52 864.8,681.52 864.8,671.52
  region net VCCRF: 966,599 977,599 977,589 967,589
  region net GND: 986,983 976,983 976,993
  region net VCCRF: 985,960 975,960 975,932 985,932
  region net VCCRF: 1045,920 1055,920 1045,930
  region net GND: 543,771 543,773 542,773 541,772
  region net VCC-USB: -40,821 -46.38,796.62 -32,790 -19,795 -11,820 -27,833
  region net VCC-HRM: 436,799 436,789 446,799
  region net VCC-3V3: 645,59 631,59 631,47 619,47 619,23 631,23 631,11 645,11
  region net NetC9_1: -86,1208 -86,1189 -96,1199
  pour cut-out: -60.38,1193.7 -110,1219 -269.62,844 -217.47,823.16
  region net VCCRF: 974,917 966,917 ccw(c964.93,918.07) 966.44,918.07 966.44,922.82
Internal Plane 1 (plane layer: these items are gaps in the copper):
  pour cut-out: 760.1,1437.9 831,1312 922,1236 1033,1165 1184.49,1171.24 1139.12,1261.01 1038.44,1437.9
Internal Plane 2 (plane layer: these items are gaps in the copper):
  pour cut-out: 680.94,1437.33 956,999 1139.12,999 1260.47,999 1184.49,1171.24 1139.12,1261.01 1038.44,1437.9
  lines w8: -114,1305 94,1305 114,1285 114,1250 95,1231 -53,1231 -80.06,1203.94 -80.06,449.94 ; -80,623 23,623 23,871 -79,871 ; 956,999 1260.67,999 ; 957,999 957,894 1004,847 1004,791 985,772 927,772 850,849 806,849 797,840 797,758 847,708 847,538 1109,538 1209,438 1296,438 ; 367,157 367,492 686,492 737,441 737,157 367,157

## Silkscreen, mask and mechanical layers (free items; w line width, h text height)
Top Overlay:
  circle w10: c1276,821 r5
  lines w6: 2,669 40.03,669 ; 2,913 2,393.38 350,393.38 ; 2,1164 2,1407 ; 9,1417 234,1417 ; 90,669.03 138.03,669.03 ; 188,669.06 236.03,669.06 ; 286,669.09 334.03,669.09 ; 384,669.13 432.03,669.13 ; 482,669.16 530.03,669.16 ; 580,669.19 628.03,669.19 ; 678,669.22 726.03,669.22 ; 687,393.38 729,393.38 ; 769,1417 907.51,1417 907.51,1184 ; 776,669.25 824.03,669.25 ; 874,669.28 907.51,669.28 ; 890,393.38 907.51,393.38 907.51,412 ; 907.51,490 907.51,883
  lines w7: 1306,551 1306,566 ; 1306,748 1306,761.31
  lines w8: 7.16,1120.89 7.16,1153.6 245.13,1206.24 245.13,1425 ; 757.38,1425 757.38,1206.24 995.35,1153.6 995.35,1120.89
  lines w16: 371,162 ccw(c371,161) 371.55,161.83
  text "1" at 945,1029 h55
  text "Li-Poly Battery" at 291,766 h60
  text "HEXIWEAR" at -301,509 h60
  text "mikroe.com" at -282,459 h55
  text "VIB / MOT" at 970,-67 h55
Bottom Overlay:
  lines w6: 798.86,-29.98 ccw(c767.09,-17.91) 799.43,-28.37 847.72,120.96 cw(c994.78,275.64) 787.99,222.8 cw(c991.66,274.82) 781.82,287.19 cw(c991.85,274.75) 785.63,316.46 cw(c994.14,274.3) 788.76,329.76 cw(c996.28,273.73) 791.77,339.88 cw(c996.82,273.57) 828.81,408.55 ; 798.94,-30 ccw(c831.24,-38.65) 819.34,-69.9 ccw(c831.41,-38.13) 820.95,-70.47 826.58,-72.29 ; 870.98,447.68 cw(c993.53,274.6) 935.81,478.67 ; 930.98,-106.06 ccw(c941.56,-74.33) 972.81,-86.24 ccw(c941.04,-74.17) 973.37,-84.62 1021.67,64.7 ccw(c993.15,275.9) 1151.64,133.43 ccw(c995.32,273.54) 1188.18,190.66 ccw(c992.21,274.97) 1192.86,202.48 ccw(c990.38,275.64) 1195.23,209.4 ccw(c990.21,275.71) 1198.39,220.11 ccw(c992.36,275.14) 1201.71,234.56 ccw(c993.46,274.6) 1150.69,416.91
  text "-" at 723,486 h55
  text "+" at 915,484 h55
  text "TP1" at 858,424 h55
  text "-" at 798,23 h55
  text "+" at 608.5,18 h55
  text "TP2" at 749,-40 h55
  text "HW REV 1.06" at 789,-109 h55
Mechanical 2:
  circle w6: c502,24 r39.37
  lines w5.98: -12.83,1361.97 -86.78,1273.84 ccw(c-33.53,1230.47) -29.54,1161.92 -9.81,1161.92
  lines w6: -12.69,1361.84 cw(c5.81,1345.02) 25.09,1360.94 ; -9.85,202.88 ccw(c6.06,183.61) 25.55,167.95 ; -9.81,202.88 -9.81,1161.92 ; 25.09,1360.9 108.3,1360.9 108.3,1445.96 -38.79,1445.96 ccw(c2298.12,-26.43) -373.02,676.47 ccw(c-291.88,655.12) -373.03,633.79 ccw(c2298.31,1335.93) -39.06,-135.73 1042.79,-135.73 ccw(c-1294.12,1336.66) 1377.02,633.76 ccw(c1295.88,655.12) 1377.03,676.45 ccw(c-1294.31,-25.7) 1043.06,1445.96 895.7,1445.96 895.7,1360.9 978.45,1360.9 ; 25.55,167.98 978.96,167.98 ; 978.45,1360.93 cw(c997.94,1345.27) 1013.85,1326 ; 978.91,167.94 ccw(c998.19,183.86) 1013.85,203.35 ; 1013.81,203.35 1013.81,1326
Mechanical 15:
  circle w1: c-62.6,1244.25 r39.37
  circle w1: c1062.47,1276.83 r39.37
  circle w1: c501.48,24.17 r39.37
  region: 907.51,1417 907.51,393.38 2,393.38 2,1417
  lines w0.5: 107.78,1357.13 -6.4,1357.13 -6.4,172.09 1009.35,172.09 1009.35,1357.13 895.18,1357.13
  lines w3.23: 932.96,-106.65 cw(c941.73,-73.82) 931.27,-106.15 820.95,-70.47 cw(c831.41,-38.13) 819.34,-69.9 cw(c831.24,-38.65) 798.4,-32.34 cw(c831.42,-38.73) 798.93,-30.06 cw(c831.76,-38.82) 799.43,-28.37 847.72,120.96 cw(c994.78,275.64) 787.99,222.8 cw(c991.66,274.82) 781.82,287.19 cw(c991.85,274.75) 785.63,316.46 cw(c994.14,274.3) 788.76,329.76 cw(c996.28,273.73) 791.77,339.88 cw(c996.82,273.57) 795.35,350.1 cw(c993.53,274.6) 1033.57,482.86 cw(c992.99,273.5) 1048.02,479.53 cw(c992.42,271.35) 1058.74,476.37 cw(c992.43,271.31) 1068.95,472.78 cw(c993.46,274.6) 1201.71,234.56 cw(c992.36,275.14) 1198.39,220.11 cw(c990.21,275.71) 1195.23,209.4 cw(c990.38,275.64) 1192.86,202.48 cw(c992.21,274.97) 1188.18,190.66 cw(c995.32,273.54) 1151.64,133.43 cw(c993.15,275.9) 1021.67,64.7 973.37,-84.62 cw(c941.04,-74.17) 972.81,-86.24 cw(c941.56,-74.33) 935.24,-107.17
  lines w4: -110,635 185.28,635

## Text inside footprints (layer, text, board x,y; h text height)
OLED1: Mechanical 15 "Dots: 96*96" at 775.26,681.8 h120 r180